# KiCad board cell-sim.kicad_pcb (continued)
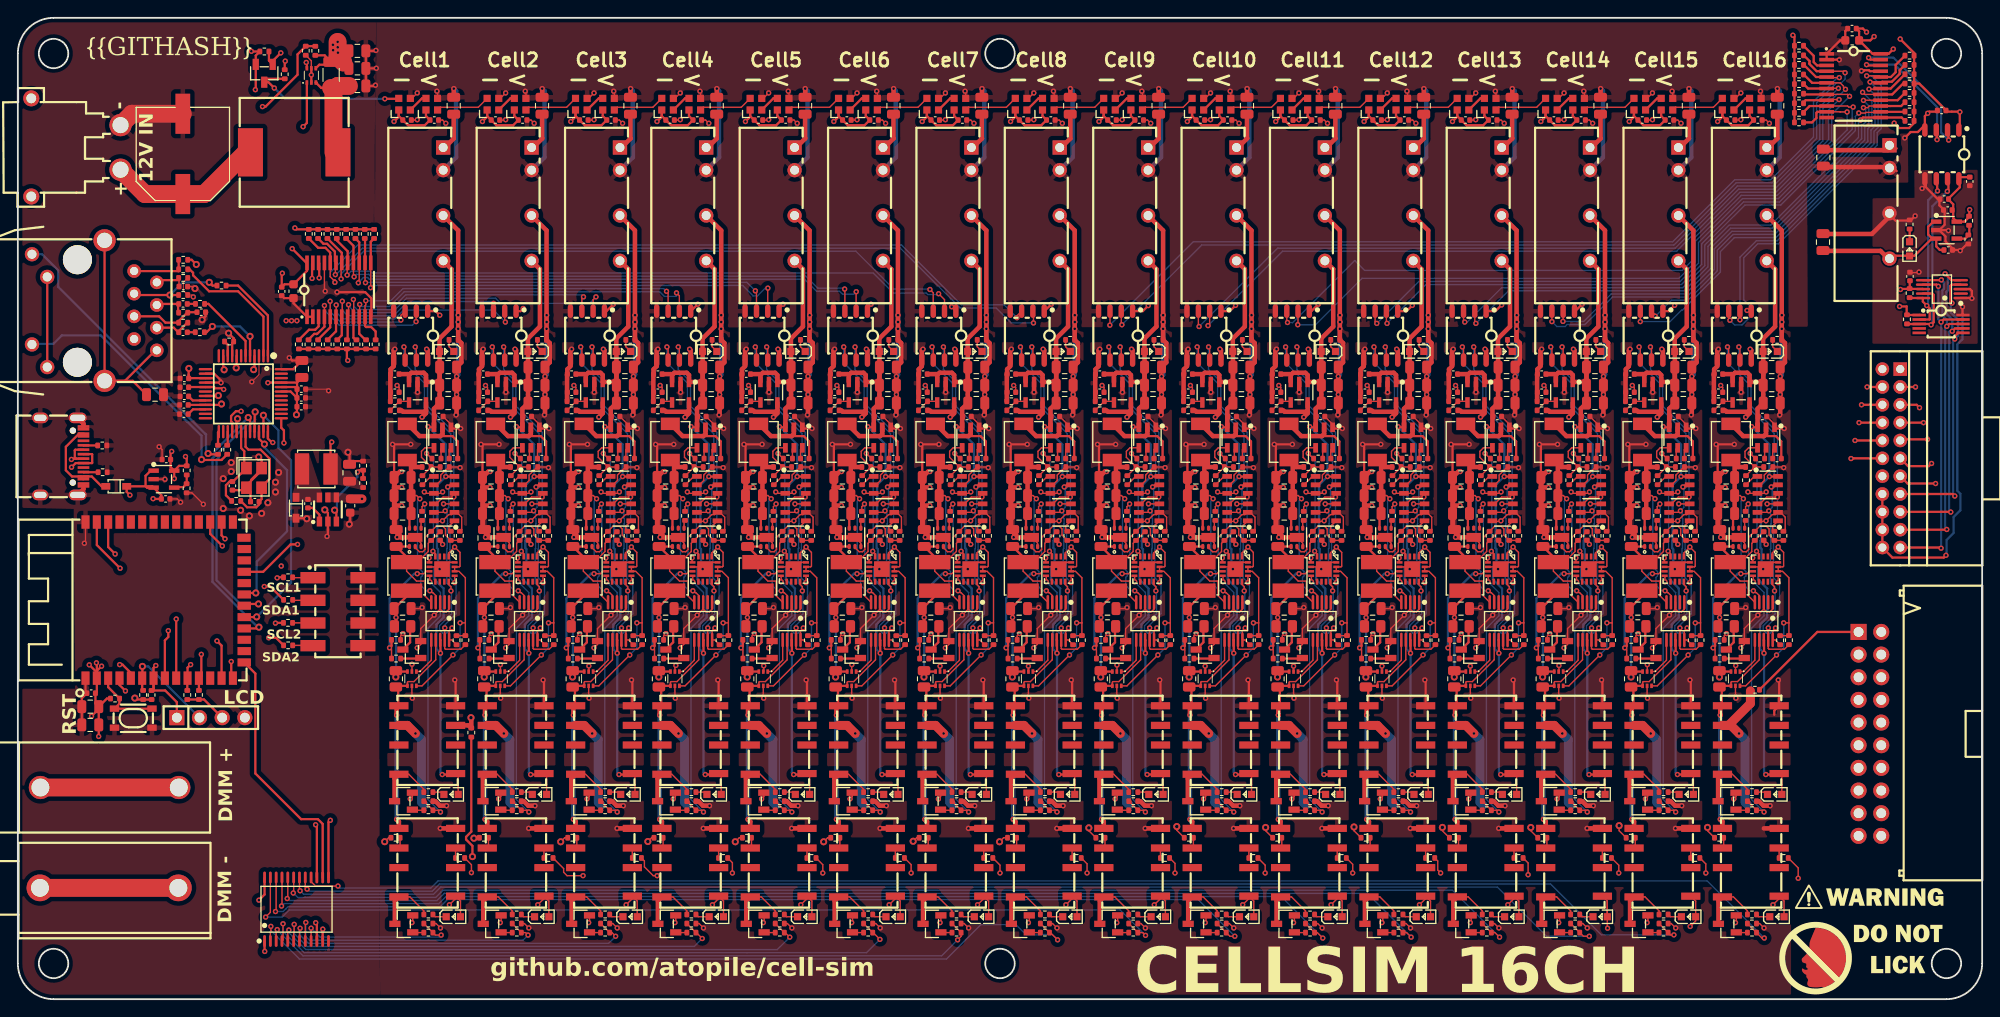
[diagram p0: board, top side]
## Placement (name value [footprint] x y rotation side) (continued)
R282  62.5mW Thick Film Resistors 50V ±100ppm/℃ ±1% 13kΩ 0402 Chip Resistor - Surface Mount ROHS  [R0402]  124.93 9.49 180 top
R283  62.5mW Thick Film Resistors 50V ±100ppm/℃ ±1% 10kΩ 0402 Chip Resistor - Surface Mount ROHS  [R0402]  124.93 7.46 180 top
R284  62.5mW Thick Film Resistors 50V ±100ppm/℃ ±1% 1kΩ 0402 Chip Resistor - Surface Mount ROHS  [R0402]  124.93 8.48 0 top
R285  62.5mW Thick Film Resistors 50V ±100ppm/℃ ±1% 1kΩ 0402 Chip Resistor - Surface Mount ROHS  [R0402]  121.31 38.18 0 top
R286  62.5mW Thick Film Resistors 50V ±100ppm/℃ ±1% 10kΩ 0402 Chip Resistor - Surface Mount ROHS  [R0402]  121.31 40.28 0 top
R287  125mW Thick Film Resistors 150V ±100ppm/℃ ±1% 226Ω 0805  Chip Resistor - Surface Mount ROHS  [R0805]  122.04 41.79 0 top
R288  62.5mW Thick Film Resistors 50V ±100ppm/℃ ±1% 10kΩ 0402 Chip Resistor - Surface Mount ROHS  [R0402]  129.07 40.25 90 top
R289  62.5mW Thick Film Resistors 50V ±100ppm/℃ ±1% 10kΩ 0402 Chip Resistor - Surface Mount ROHS  [R0402]  128.08 40.23 90 top
R290  62.5mW Thick Film Resistors 50V ±100ppm/℃ ±1% 11.5kΩ 0402 Chip Resistor - Surface Mount ROHS  [R0402]  121.17 66 180 top
R291  62.5mW Thick Film Resistors 50V ±100ppm/℃ ±1% 6.19kΩ 0402 Chip Resistor - Surface Mount ROHS  [R0402]  121.17 67.02 180 top
R292  62.5mW Thick Film Resistors 50V ±100ppm/℃ ±1% 10kΩ 0402 Chip Resistor - Surface Mount ROHS  [R0402]  121.25 18.09 180 top
R293  62.5mW Thick Film Resistors 50V ±100ppm/℃ ±1% 10kΩ 0402 Chip Resistor - Surface Mount ROHS  [R0402]  128.48 15.83 0 top
R294  62.5mW Thick Film Resistors 50V ±100ppm/℃ ±1% 14kΩ 0402 Chip Resistor - Surface Mount ROHS  [R0402]  137.65 73.9 0 top
R295  62.5mW Thick Film Resistors 50V ±100ppm/℃ ±1% 24kΩ 0402 Chip Resistor - Surface Mount ROHS  [R0402]  134.16 58.17 90 top
R296  62.5mW Thick Film Resistors 50V ±100ppm/℃ ±1% 37.4kΩ 0402 Chip Resistor - Surface Mount ROHS  [R0402]  134.63 59.65 0 top
R297  62.5mW Thick Film Resistors 50V ±100ppm/℃ ±1% 10kΩ 0402 Chip Resistor - Surface Mount ROHS  [R0402]  136.66 59.65 0 top
R298  62.5mW Thick Film Resistors 50V ±100ppm/℃ ±1% 10kΩ 0402 Chip Resistor - Surface Mount ROHS  [R0402]  135.74 60.6 0 top
R299  62.5mW Thick Film Resistors 50V ±100ppm/℃ ±1% 43kΩ 0402 Chip Resistor - Surface Mount ROHS  [R0402]  137.34 51.94 270 top
R300  62.5mW Thick Film Resistors 50V ±100ppm/℃ ±1% 60.4kΩ 0402 Chip Resistor - Surface Mount ROHS  [R0402]  135.14 51.93 90 top
R301  62.5mW Thick Film Resistors 50V ±100ppm/℃ ±1% 10kΩ 0402 Chip Resistor - Surface Mount ROHS  [R0402]  138.35 51.94 90 top
R302  62.5mW Thick Film Resistors 50V ±100ppm/℃ ±1% 10kΩ 0402 Chip Resistor - Surface Mount ROHS  [R0402]  134.11 54.17 270 top
R303  125mW Thick Film Resistors 150V ±1% 100mΩ 0805 Chip Resistor - Surface Mount ROHS  [R0805]  131.19 35.91 270 top
R304  62.5mW Thick Film Resistors 50V ±100ppm/℃ ±1% 13kΩ 0402 Chip Resistor - Surface Mount ROHS  [R0402]  134.83 23.21 180 top
R305  62.5mW Thick Film Resistors 50V ±100ppm/℃ ±1% 10kΩ 0402 Chip Resistor - Surface Mount ROHS  [R0402]  134.83 21.18 180 top
R306  62.5mW Thick Film Resistors 50V ±100ppm/℃ ±1% 1kΩ 0402 Chip Resistor - Surface Mount ROHS  [R0402]  134.83 22.19 0 top
R307  62.5mW Thick Film Resistors 50V ±100ppm/℃ ±1% 13kΩ 0402 Chip Resistor - Surface Mount ROHS  [R0402]  134.83 9.49 180 top
R308  62.5mW Thick Film Resistors 50V ±100ppm/℃ ±1% 10kΩ 0402 Chip Resistor - Surface Mount ROHS  [R0402]  134.83 7.46 180 top
R309  62.5mW Thick Film Resistors 50V ±100ppm/℃ ±1% 1kΩ 0402 Chip Resistor - Surface Mount ROHS  [R0402]  134.83 8.48 0 top
R310  62.5mW Thick Film Resistors 50V ±100ppm/℃ ±1% 1kΩ 0402 Chip Resistor - Surface Mount ROHS  [R0402]  131.21 38.18 0 top
R311  62.5mW Thick Film Resistors 50V ±100ppm/℃ ±1% 10kΩ 0402 Chip Resistor - Surface Mount ROHS  [R0402]  131.21 40.28 0 top
R312  125mW Thick Film Resistors 150V ±100ppm/℃ ±1% 226Ω 0805  Chip Resistor - Surface Mount ROHS  [R0805]  131.94 41.79 0 top
R313  62.5mW Thick Film Resistors 50V ±100ppm/℃ ±1% 10kΩ 0402 Chip Resistor - Surface Mount ROHS  [R0402]  138.97 40.25 90 top
R314  62.5mW Thick Film Resistors 50V ±100ppm/℃ ±1% 10kΩ 0402 Chip Resistor - Surface Mount ROHS  [R0402]  137.98 40.23 90 top
R315  62.5mW Thick Film Resistors 50V ±100ppm/℃ ±1% 11.5kΩ 0402 Chip Resistor - Surface Mount ROHS  [R0402]  131.07 66 180 top
R316  62.5mW Thick Film Resistors 50V ±100ppm/℃ ±1% 6.19kΩ 0402 Chip Resistor - Surface Mount ROHS  [R0402]  131.07 67.02 180 top
R317  62.5mW Thick Film Resistors 50V ±100ppm/℃ ±1% 10kΩ 0402 Chip Resistor - Surface Mount ROHS  [R0402]  131.15 18.09 180 top
R318  62.5mW Thick Film Resistors 50V ±100ppm/℃ ±1% 10kΩ 0402 Chip Resistor - Surface Mount ROHS  [R0402]  138.38 15.83 0 top
R319  62.5mW Thick Film Resistors 50V ±100ppm/℃ ±1% 14kΩ 0402 Chip Resistor - Surface Mount ROHS  [R0402]  147.55 73.9 0 top
R320  62.5mW Thick Film Resistors 50V ±100ppm/℃ ±1% 24kΩ 0402 Chip Resistor - Surface Mount ROHS  [R0402]  144.06 58.17 90 top
R321  62.5mW Thick Film Resistors 50V ±100ppm/℃ ±1% 37.4kΩ 0402 Chip Resistor - Surface Mount ROHS  [R0402]  144.53 59.65 0 top
R322  62.5mW Thick Film Resistors 50V ±100ppm/℃ ±1% 10kΩ 0402 Chip Resistor - Surface Mount ROHS  [R0402]  146.56 59.65 0 top
R323  62.5mW Thick Film Resistors 50V ±100ppm/℃ ±1% 10kΩ 0402 Chip Resistor - Surface Mount ROHS  [R0402]  145.64 60.6 0 top
R324  62.5mW Thick Film Resistors 50V ±100ppm/℃ ±1% 43kΩ 0402 Chip Resistor - Surface Mount ROHS  [R0402]  147.24 51.94 270 top
R325  62.5mW Thick Film Resistors 50V ±100ppm/℃ ±1% 60.4kΩ 0402 Chip Resistor - Surface Mount ROHS  [R0402]  145.03 51.93 90 top
R326  62.5mW Thick Film Resistors 50V ±100ppm/℃ ±1% 10kΩ 0402 Chip Resistor - Surface Mount ROHS  [R0402]  148.25 51.94 90 top
R327  62.5mW Thick Film Resistors 50V ±100ppm/℃ ±1% 10kΩ 0402 Chip Resistor - Surface Mount ROHS  [R0402]  144.01 54.17 270 top
R328  125mW Thick Film Resistors 150V ±1% 100mΩ 0805 Chip Resistor - Surface Mount ROHS  [R0805]  141.09 35.91 270 top
R329  62.5mW Thick Film Resistors 50V ±100ppm/℃ ±1% 13kΩ 0402 Chip Resistor - Surface Mount ROHS  [R0402]  144.73 23.21 180 top
R330  62.5mW Thick Film Resistors 50V ±100ppm/℃ ±1% 10kΩ 0402 Chip Resistor - Surface Mount ROHS  [R0402]  144.73 21.18 180 top
R331  62.5mW Thick Film Resistors 50V ±100ppm/℃ ±1% 1kΩ 0402 Chip Resistor - Surface Mount ROHS  [R0402]  144.73 22.19 0 top
R332  62.5mW Thick Film Resistors 50V ±100ppm/℃ ±1% 13kΩ 0402 Chip Resistor - Surface Mount ROHS  [R0402]  144.73 9.49 180 top
R333  62.5mW Thick Film Resistors 50V ±100ppm/℃ ±1% 10kΩ 0402 Chip Resistor - Surface Mount ROHS  [R0402]  144.73 7.46 180 top
R334  62.5mW Thick Film Resistors 50V ±100ppm/℃ ±1% 1kΩ 0402 Chip Resistor - Surface Mount ROHS  [R0402]  144.73 8.48 0 top
R335  62.5mW Thick Film Resistors 50V ±100ppm/℃ ±1% 1kΩ 0402 Chip Resistor - Surface Mount ROHS  [R0402]  141.11 38.18 0 top
R336  62.5mW Thick Film Resistors 50V ±100ppm/℃ ±1% 10kΩ 0402 Chip Resistor - Surface Mount ROHS  [R0402]  141.11 40.28 0 top
R337  125mW Thick Film Resistors 150V ±100ppm/℃ ±1% 226Ω 0805  Chip Resistor - Surface Mount ROHS  [R0805]  141.84 41.79 0 top
R338  62.5mW Thick Film Resistors 50V ±100ppm/℃ ±1% 10kΩ 0402 Chip Resistor - Surface Mount ROHS  [R0402]  148.87 40.25 90 top
R339  62.5mW Thick Film Resistors 50V ±100ppm/℃ ±1% 10kΩ 0402 Chip Resistor - Surface Mount ROHS  [R0402]  147.88 40.23 90 top
R340  62.5mW Thick Film Resistors 50V ±100ppm/℃ ±1% 11.5kΩ 0402 Chip Resistor - Surface Mount ROHS  [R0402]  140.97 66 180 top
R341  62.5mW Thick Film Resistors 50V ±100ppm/℃ ±1% 6.19kΩ 0402 Chip Resistor - Surface Mount ROHS  [R0402]  140.97 67.02 180 top
R342  62.5mW Thick Film Resistors 50V ±100ppm/℃ ±1% 10kΩ 0402 Chip Resistor - Surface Mount ROHS  [R0402]  141.05 18.09 180 top
R343  62.5mW Thick Film Resistors 50V ±100ppm/℃ ±1% 10kΩ 0402 Chip Resistor - Surface Mount ROHS  [R0402]  148.28 15.83 0 top
R344  62.5mW Thick Film Resistors 50V ±100ppm/℃ ±1% 14kΩ 0402 Chip Resistor - Surface Mount ROHS  [R0402]  157.45 73.9 0 top
R345  62.5mW Thick Film Resistors 50V ±100ppm/℃ ±1% 24kΩ 0402 Chip Resistor - Surface Mount ROHS  [R0402]  153.96 58.17 90 top
R346  62.5mW Thick Film Resistors 50V ±100ppm/℃ ±1% 37.4kΩ 0402 Chip Resistor - Surface Mount ROHS  [R0402]  154.42 59.65 0 top
R347  62.5mW Thick Film Resistors 50V ±100ppm/℃ ±1% 10kΩ 0402 Chip Resistor - Surface Mount ROHS  [R0402]  156.46 59.65 0 top
R348  62.5mW Thick Film Resistors 50V ±100ppm/℃ ±1% 10kΩ 0402 Chip Resistor - Surface Mount ROHS  [R0402]  155.53 60.6 0 top
R349  62.5mW Thick Film Resistors 50V ±100ppm/℃ ±1% 43kΩ 0402 Chip Resistor - Surface Mount ROHS  [R0402]  157.14 51.94 270 top
R350  62.5mW Thick Film Resistors 50V ±100ppm/℃ ±1% 60.4kΩ 0402 Chip Resistor - Surface Mount ROHS  [R0402]  154.93 51.93 90 top
R351  62.5mW Thick Film Resistors 50V ±100ppm/℃ ±1% 10kΩ 0402 Chip Resistor - Surface Mount ROHS  [R0402]  158.15 51.94 90 top
R352  62.5mW Thick Film Resistors 50V ±100ppm/℃ ±1% 10kΩ 0402 Chip Resistor - Surface Mount ROHS  [R0402]  153.91 54.17 270 top
R353  125mW Thick Film Resistors 150V ±1% 100mΩ 0805 Chip Resistor - Surface Mount ROHS  [R0805]  150.98 35.91 270 top
R354  62.5mW Thick Film Resistors 50V ±100ppm/℃ ±1% 13kΩ 0402 Chip Resistor - Surface Mount ROHS  [R0402]  154.62 23.21 180 top
R355  62.5mW Thick Film Resistors 50V ±100ppm/℃ ±1% 10kΩ 0402 Chip Resistor - Surface Mount ROHS  [R0402]  154.62 21.18 180 top
R356  62.5mW Thick Film Resistors 50V ±100ppm/℃ ±1% 1kΩ 0402 Chip Resistor - Surface Mount ROHS  [R0402]  154.62 22.19 0 top
R357  62.5mW Thick Film Resistors 50V ±100ppm/℃ ±1% 13kΩ 0402 Chip Resistor - Surface Mount ROHS  [R0402]  154.62 9.49 180 top
R358  62.5mW Thick Film Resistors 50V ±100ppm/℃ ±1% 10kΩ 0402 Chip Resistor - Surface Mount ROHS  [R0402]  154.62 7.46 180 top
R359  62.5mW Thick Film Resistors 50V ±100ppm/℃ ±1% 1kΩ 0402 Chip Resistor - Surface Mount ROHS  [R0402]  154.62 8.48 0 top
R360  62.5mW Thick Film Resistors 50V ±100ppm/℃ ±1% 1kΩ 0402 Chip Resistor - Surface Mount ROHS  [R0402]  151.01 38.18 0 top
R361  62.5mW Thick Film Resistors 50V ±100ppm/℃ ±1% 10kΩ 0402 Chip Resistor - Surface Mount ROHS  [R0402]  151 40.28 0 top
R362  125mW Thick Film Resistors 150V ±100ppm/℃ ±1% 226Ω 0805  Chip Resistor - Surface Mount ROHS  [R0805]  151.74 41.79 0 top
R363  62.5mW Thick Film Resistors 50V ±100ppm/℃ ±1% 10kΩ 0402 Chip Resistor - Surface Mount ROHS  [R0402]  158.77 40.25 90 top
R364  62.5mW Thick Film Resistors 50V ±100ppm/℃ ±1% 10kΩ 0402 Chip Resistor - Surface Mount ROHS  [R0402]  157.78 40.23 90 top
R365  62.5mW Thick Film Resistors 50V ±100ppm/℃ ±1% 11.5kΩ 0402 Chip Resistor - Surface Mount ROHS  [R0402]  150.87 66 180 top
R366  62.5mW Thick Film Resistors 50V ±100ppm/℃ ±1% 6.19kΩ 0402 Chip Resistor - Surface Mount ROHS  [R0402]  150.87 67.02 180 top
R367  62.5mW Thick Film Resistors 50V ±100ppm/℃ ±1% 10kΩ 0402 Chip Resistor - Surface Mount ROHS  [R0402]  150.94 18.09 180 top
R368  62.5mW Thick Film Resistors 50V ±100ppm/℃ ±1% 10kΩ 0402 Chip Resistor - Surface Mount ROHS  [R0402]  158.18 15.83 0 top
R369  62.5mW Thick Film Resistors 50V ±100ppm/℃ ±1% 14kΩ 0402 Chip Resistor - Surface Mount ROHS  [R0402]  167.35 73.9 0 top
R370  62.5mW Thick Film Resistors 50V ±100ppm/℃ ±1% 24kΩ 0402 Chip Resistor - Surface Mount ROHS  [R0402]  163.86 58.17 90 top
R371  62.5mW Thick Film Resistors 50V ±100ppm/℃ ±1% 37.4kΩ 0402 Chip Resistor - Surface Mount ROHS  [R0402]  164.32 59.65 0 top
R372  62.5mW Thick Film Resistors 50V ±100ppm/℃ ±1% 10kΩ 0402 Chip Resistor - Surface Mount ROHS  [R0402]  166.36 59.65 0 top
R373  62.5mW Thick Film Resistors 50V ±100ppm/℃ ±1% 10kΩ 0402 Chip Resistor - Surface Mount ROHS  [R0402]  165.43 60.6 0 top
R374  62.5mW Thick Film Resistors 50V ±100ppm/℃ ±1% 43kΩ 0402 Chip Resistor - Surface Mount ROHS  [R0402]  167.03 51.94 270 top
R375  62.5mW Thick Film Resistors 50V ±100ppm/℃ ±1% 60.4kΩ 0402 Chip Resistor - Surface Mount ROHS  [R0402]  164.83 51.93 90 top
R376  62.5mW Thick Film Resistors 50V ±100ppm/℃ ±1% 10kΩ 0402 Chip Resistor - Surface Mount ROHS  [R0402]  168.05 51.94 90 top
R377  62.5mW Thick Film Resistors 50V ±100ppm/℃ ±1% 10kΩ 0402 Chip Resistor - Surface Mount ROHS  [R0402]  163.81 54.17 270 top
R378  125mW Thick Film Resistors 150V ±1% 100mΩ 0805 Chip Resistor - Surface Mount ROHS  [R0805]  160.88 35.91 270 top
R379  62.5mW Thick Film Resistors 50V ±100ppm/℃ ±1% 13kΩ 0402 Chip Resistor - Surface Mount ROHS  [R0402]  164.52 23.21 180 top
R380  62.5mW Thick Film Resistors 50V ±100ppm/℃ ±1% 10kΩ 0402 Chip Resistor - Surface Mount ROHS  [R0402]  164.52 21.18 180 top
R381  62.5mW Thick Film Resistors 50V ±100ppm/℃ ±1% 1kΩ 0402 Chip Resistor - Surface Mount ROHS  [R0402]  164.52 22.19 0 top
R382  62.5mW Thick Film Resistors 50V ±100ppm/℃ ±1% 13kΩ 0402 Chip Resistor - Surface Mount ROHS  [R0402]  164.52 9.49 180 top
R383  62.5mW Thick Film Resistors 50V ±100ppm/℃ ±1% 10kΩ 0402 Chip Resistor - Surface Mount ROHS  [R0402]  164.52 7.46 180 top
R384  62.5mW Thick Film Resistors 50V ±100ppm/℃ ±1% 1kΩ 0402 Chip Resistor - Surface Mount ROHS  [R0402]  164.52 8.48 0 top
R385  62.5mW Thick Film Resistors 50V ±100ppm/℃ ±1% 1kΩ 0402 Chip Resistor - Surface Mount ROHS  [R0402]  160.9 38.18 0 top
R386  62.5mW Thick Film Resistors 50V ±100ppm/℃ ±1% 10kΩ 0402 Chip Resistor - Surface Mount ROHS  [R0402]  160.9 40.28 0 top
R387  125mW Thick Film Resistors 150V ±100ppm/℃ ±1% 226Ω 0805  Chip Resistor - Surface Mount ROHS  [R0805]  161.63 41.79 0 top
R388  62.5mW Thick Film Resistors 50V ±100ppm/℃ ±1% 10kΩ 0402 Chip Resistor - Surface Mount ROHS  [R0402]  168.66 40.25 90 top
R389  62.5mW Thick Film Resistors 50V ±100ppm/℃ ±1% 10kΩ 0402 Chip Resistor - Surface Mount ROHS  [R0402]  167.68 40.23 90 top
R390  62.5mW Thick Film Resistors 50V ±100ppm/℃ ±1% 11.5kΩ 0402 Chip Resistor - Surface Mount ROHS  [R0402]  160.77 66 180 top
R391  62.5mW Thick Film Resistors 50V ±100ppm/℃ ±1% 6.19kΩ 0402 Chip Resistor - Surface Mount ROHS  [R0402]  160.77 67.02 180 top
R392  62.5mW Thick Film Resistors 50V ±100ppm/℃ ±1% 10kΩ 0402 Chip Resistor - Surface Mount ROHS  [R0402]  160.84 18.09 180 top
R393  62.5mW Thick Film Resistors 50V ±100ppm/℃ ±1% 10kΩ 0402 Chip Resistor - Surface Mount ROHS  [R0402]  168.08 15.83 0 top
R394  62.5mW Thick Film Resistors 50V ±100ppm/℃ ±1% 14kΩ 0402 Chip Resistor - Surface Mount ROHS  [R0402]  177.25 73.9 0 top
R395  62.5mW Thick Film Resistors 50V ±100ppm/℃ ±1% 24kΩ 0402 Chip Resistor - Surface Mount ROHS  [R0402]  173.76 58.17 90 top
R396  62.5mW Thick Film Resistors 50V ±100ppm/℃ ±1% 37.4kΩ 0402 Chip Resistor - Surface Mount ROHS  [R0402]  174.22 59.65 0 top
R397  62.5mW Thick Film Resistors 50V ±100ppm/℃ ±1% 10kΩ 0402 Chip Resistor - Surface Mount ROHS  [R0402]  176.25 59.65 0 top
R398  62.5mW Thick Film Resistors 50V ±100ppm/℃ ±1% 10kΩ 0402 Chip Resistor - Surface Mount ROHS  [R0402]  175.33 60.6 0 top
R399  62.5mW Thick Film Resistors 50V ±100ppm/℃ ±1% 43kΩ 0402 Chip Resistor - Surface Mount ROHS  [R0402]  176.93 51.94 270 top
R400  62.5mW Thick Film Resistors 50V ±100ppm/℃ ±1% 60.4kΩ 0402 Chip Resistor - Surface Mount ROHS  [R0402]  174.73 51.93 90 top
R401  62.5mW Thick Film Resistors 50V ±100ppm/℃ ±1% 10kΩ 0402 Chip Resistor - Surface Mount ROHS  [R0402]  177.94 51.94 90 top
R402  62.5mW Thick Film Resistors 50V ±100ppm/℃ ±1% 10kΩ 0402 Chip Resistor - Surface Mount ROHS  [R0402]  173.71 54.17 270 top
R403  125mW Thick Film Resistors 150V ±1% 100mΩ 0805 Chip Resistor - Surface Mount ROHS  [R0805]  170.78 35.91 270 top
R404  62.5mW Thick Film Resistors 50V ±100ppm/℃ ±1% 13kΩ 0402 Chip Resistor - Surface Mount ROHS  [R0402]  174.42 23.21 180 top
R405  62.5mW Thick Film Resistors 50V ±100ppm/℃ ±1% 10kΩ 0402 Chip Resistor - Surface Mount ROHS  [R0402]  174.42 21.18 180 top
R406  62.5mW Thick Film Resistors 50V ±100ppm/℃ ±1% 1kΩ 0402 Chip Resistor - Surface Mount ROHS  [R0402]  174.42 22.19 0 top
R407  62.5mW Thick Film Resistors 50V ±100ppm/℃ ±1% 13kΩ 0402 Chip Resistor - Surface Mount ROHS  [R0402]  174.42 9.49 180 top
R408  62.5mW Thick Film Resistors 50V ±100ppm/℃ ±1% 10kΩ 0402 Chip Resistor - Surface Mount ROHS  [R0402]  174.42 7.46 180 top
R409  62.5mW Thick Film Resistors 50V ±100ppm/℃ ±1% 1kΩ 0402 Chip Resistor - Surface Mount ROHS  [R0402]  174.42 8.48 0 top
R410  62.5mW Thick Film Resistors 50V ±100ppm/℃ ±1% 1kΩ 0402 Chip Resistor - Surface Mount ROHS  [R0402]  170.8 38.18 0 top
R411  62.5mW Thick Film Resistors 50V ±100ppm/℃ ±1% 10kΩ 0402 Chip Resistor - Surface Mount ROHS  [R0402]  170.8 40.28 0 top
R412  125mW Thick Film Resistors 150V ±100ppm/℃ ±1% 226Ω 0805  Chip Resistor - Surface Mount ROHS  [R0805]  171.53 41.79 0 top
R413  62.5mW Thick Film Resistors 50V ±100ppm/℃ ±1% 10kΩ 0402 Chip Resistor - Surface Mount ROHS  [R0402]  178.56 40.25 90 top
R414  62.5mW Thick Film Resistors 50V ±100ppm/℃ ±1% 10kΩ 0402 Chip Resistor - Surface Mount ROHS  [R0402]  177.58 40.23 90 top
R415  62.5mW Thick Film Resistors 50V ±100ppm/℃ ±1% 11.5kΩ 0402 Chip Resistor - Surface Mount ROHS  [R0402]  170.67 66 180 top
R416  62.5mW Thick Film Resistors 50V ±100ppm/℃ ±1% 6.19kΩ 0402 Chip Resistor - Surface Mount ROHS  [R0402]  170.67 67.02 180 top
R417  62.5mW Thick Film Resistors 50V ±100ppm/℃ ±1% 10kΩ 0402 Chip Resistor - Surface Mount ROHS  [R0402]  170.74 18.09 180 top
R418  62.5mW Thick Film Resistors 50V ±100ppm/℃ ±1% 10kΩ 0402 Chip Resistor - Surface Mount ROHS  [R0402]  177.98 15.83 0 top
R419  62.5mW Thick Film Resistors 50V ±100ppm/℃ ±1% 14kΩ 0402 Chip Resistor - Surface Mount ROHS  [R0402]  187.15 73.9 0 top
R420  62.5mW Thick Film Resistors 50V ±100ppm/℃ ±1% 24kΩ 0402 Chip Resistor - Surface Mount ROHS  [R0402]  183.65 58.17 90 top
R421  62.5mW Thick Film Resistors 50V ±100ppm/℃ ±1% 37.4kΩ 0402 Chip Resistor - Surface Mount ROHS  [R0402]  184.12 59.65 0 top
R422  62.5mW Thick Film Resistors 50V ±100ppm/℃ ±1% 10kΩ 0402 Chip Resistor - Surface Mount ROHS  [R0402]  186.15 59.65 0 top
R423  62.5mW Thick Film Resistors 50V ±100ppm/℃ ±1% 10kΩ 0402 Chip Resistor - Surface Mount ROHS  [R0402]  185.23 60.6 0 top
R424  62.5mW Thick Film Resistors 50V ±100ppm/℃ ±1% 43kΩ 0402 Chip Resistor - Surface Mount ROHS  [R0402]  186.83 51.94 270 top
R425  62.5mW Thick Film Resistors 50V ±100ppm/℃ ±1% 60.4kΩ 0402 Chip Resistor - Surface Mount ROHS  [R0402]  184.63 51.93 90 top
R426  62.5mW Thick Film Resistors 50V ±100ppm/℃ ±1% 10kΩ 0402 Chip Resistor - Surface Mount ROHS  [R0402]  187.84 51.94 90 top
R427  62.5mW Thick Film Resistors 50V ±100ppm/℃ ±1% 10kΩ 0402 Chip Resistor - Surface Mount ROHS  [R0402]  183.61 54.17 270 top
R428  125mW Thick Film Resistors 150V ±1% 100mΩ 0805 Chip Resistor - Surface Mount ROHS  [R0805]  180.68 35.91 270 top
R429  62.5mW Thick Film Resistors 50V ±100ppm/℃ ±1% 13kΩ 0402 Chip Resistor - Surface Mount ROHS  [R0402]  184.32 23.21 180 top
R430  62.5mW Thick Film Resistors 50V ±100ppm/℃ ±1% 10kΩ 0402 Chip Resistor - Surface Mount ROHS  [R0402]  184.32 21.18 180 top
R431  62.5mW Thick Film Resistors 50V ±100ppm/℃ ±1% 1kΩ 0402 Chip Resistor - Surface Mount ROHS  [R0402]  184.32 22.19 0 top
R432  62.5mW Thick Film Resistors 50V ±100ppm/℃ ±1% 13kΩ 0402 Chip Resistor - Surface Mount ROHS  [R0402]  184.32 9.49 180 top
R433  62.5mW Thick Film Resistors 50V ±100ppm/℃ ±1% 10kΩ 0402 Chip Resistor - Surface Mount ROHS  [R0402]  184.32 7.46 180 top
R434  62.5mW Thick Film Resistors 50V ±100ppm/℃ ±1% 1kΩ 0402 Chip Resistor - Surface Mount ROHS  [R0402]  184.32 8.48 0 top
R435  62.5mW Thick Film Resistors 50V ±100ppm/℃ ±1% 1kΩ 0402 Chip Resistor - Surface Mount ROHS  [R0402]  180.7 38.18 0 top
R436  62.5mW Thick Film Resistors 50V ±100ppm/℃ ±1% 10kΩ 0402 Chip Resistor - Surface Mount ROHS  [R0402]  180.7 40.28 0 top
R437  125mW Thick Film Resistors 150V ±100ppm/℃ ±1% 226Ω 0805  Chip Resistor - Surface Mount ROHS  [R0805]  181.43 41.79 0 top
R438  62.5mW Thick Film Resistors 50V ±100ppm/℃ ±1% 10kΩ 0402 Chip Resistor - Surface Mount ROHS  [R0402]  188.46 40.25 90 top
R439  62.5mW Thick Film Resistors 50V ±100ppm/℃ ±1% 10kΩ 0402 Chip Resistor - Surface Mount ROHS  [R0402]  187.47 40.23 90 top
R440  62.5mW Thick Film Resistors 50V ±100ppm/℃ ±1% 11.5kΩ 0402 Chip Resistor - Surface Mount ROHS  [R0402]  180.56 66 180 top
R441  62.5mW Thick Film Resistors 50V ±100ppm/℃ ±1% 6.19kΩ 0402 Chip Resistor - Surface Mount ROHS  [R0402]  180.56 67.02 180 top
R442  62.5mW Thick Film Resistors 50V ±100ppm/℃ ±1% 10kΩ 0402 Chip Resistor - Surface Mount ROHS  [R0402]  180.64 18.09 180 top
R443  62.5mW Thick Film Resistors 50V ±100ppm/℃ ±1% 10kΩ 0402 Chip Resistor - Surface Mount ROHS  [R0402]  187.87 15.83 0 top
R444  62.5mW Thick Film Resistors 50V ±100ppm/℃ ±1% 14kΩ 0402 Chip Resistor - Surface Mount ROHS  [R0402]  197.05 73.9 0 top
R445  62.5mW Thick Film Resistors 50V ±100ppm/℃ ±1% 24kΩ 0402 Chip Resistor - Surface Mount ROHS  [R0402]  193.55 58.17 90 top
R446  62.5mW Thick Film Resistors 50V ±100ppm/℃ ±1% 37.4kΩ 0402 Chip Resistor - Surface Mount ROHS  [R0402]  194.02 59.65 0 top
R447  62.5mW Thick Film Resistors 50V ±100ppm/℃ ±1% 10kΩ 0402 Chip Resistor - Surface Mount ROHS  [R0402]  196.05 59.65 0 top
R448  62.5mW Thick Film Resistors 50V ±100ppm/℃ ±1% 10kΩ 0402 Chip Resistor - Surface Mount ROHS  [R0402]  195.13 60.6 0 top
R449  62.5mW Thick Film Resistors 50V ±100ppm/℃ ±1% 43kΩ 0402 Chip Resistor - Surface Mount ROHS  [R0402]  196.73 51.94 270 top
R450  62.5mW Thick Film Resistors 50V ±100ppm/℃ ±1% 60.4kΩ 0402 Chip Resistor - Surface Mount ROHS  [R0402]  194.53 51.93 90 top
R451  62.5mW Thick Film Resistors 50V ±100ppm/℃ ±1% 10kΩ 0402 Chip Resistor - Surface Mount ROHS  [R0402]  197.74 51.94 90 top
R452  62.5mW Thick Film Resistors 50V ±100ppm/℃ ±1% 10kΩ 0402 Chip Resistor - Surface Mount ROHS  [R0402]  193.5 54.17 270 top
R453  125mW Thick Film Resistors 150V ±1% 100mΩ 0805 Chip Resistor - Surface Mount ROHS  [R0805]  190.58 35.91 270 top
R454  62.5mW Thick Film Resistors 50V ±100ppm/℃ ±1% 13kΩ 0402 Chip Resistor - Surface Mount ROHS  [R0402]  194.22 23.21 180 top
R455  62.5mW Thick Film Resistors 50V ±100ppm/℃ ±1% 10kΩ 0402 Chip Resistor - Surface Mount ROHS  [R0402]  194.22 21.18 180 top
R456  62.5mW Thick Film Resistors 50V ±100ppm/℃ ±1% 1kΩ 0402 Chip Resistor - Surface Mount ROHS  [R0402]  194.22 22.19 0 top
R457  62.5mW Thick Film Resistors 50V ±100ppm/℃ ±1% 13kΩ 0402 Chip Resistor - Surface Mount ROHS  [R0402]  194.22 9.49 180 top
R458  62.5mW Thick Film Resistors 50V ±100ppm/℃ ±1% 10kΩ 0402 Chip Resistor - Surface Mount ROHS  [R0402]  194.22 7.46 180 top
R459  62.5mW Thick Film Resistors 50V ±100ppm/℃ ±1% 1kΩ 0402 Chip Resistor - Surface Mount ROHS  [R0402]  194.22 8.48 0 top
R460  62.5mW Thick Film Resistors 50V ±100ppm/℃ ±1% 1kΩ 0402 Chip Resistor - Surface Mount ROHS  [R0402]  190.6 38.18 0 top
R461  62.5mW Thick Film Resistors 50V ±100ppm/℃ ±1% 10kΩ 0402 Chip Resistor - Surface Mount ROHS  [R0402]  190.6 40.28 0 top
R462  125mW Thick Film Resistors 150V ±100ppm/℃ ±1% 226Ω 0805  Chip Resistor - Surface Mount ROHS  [R0805]  191.33 41.79 0 top
R463  62.5mW Thick Film Resistors 50V ±100ppm/℃ ±1% 10kΩ 0402 Chip Resistor - Surface Mount ROHS  [R0402]  198.36 40.25 90 top
R464  62.5mW Thick Film Resistors 50V ±100ppm/℃ ±1% 10kΩ 0402 Chip Resistor - Surface Mount ROHS  [R0402]  197.37 40.23 90 top
R465  62.5mW Thick Film Resistors 50V ±100ppm/℃ ±1% 11.5kΩ 0402 Chip Resistor - Surface Mount ROHS  [R0402]  190.46 66 180 top
R466  62.5mW Thick Film Resistors 50V ±100ppm/℃ ±1% 6.19kΩ 0402 Chip Resistor - Surface Mount ROHS  [R0402]  190.46 67.02 180 top
R467  62.5mW Thick Film Resistors 50V ±100ppm/℃ ±1% 10kΩ 0402 Chip Resistor - Surface Mount ROHS  [R0402]  190.54 18.09 180 top
R468  62.5mW Thick Film Resistors 50V ±100ppm/℃ ±1% 10kΩ 0402 Chip Resistor - Surface Mount ROHS  [R0402]  197.77 15.83 0 top
R469  62.5mW Thick Film Resistors 50V ±800ppm/℃ ±1% 0Ω 0402 Chip Resistor - Surface Mount ROHS  [R0402]  194.56 34.68 0 top
R470  62.5mW Thick Film Resistors 50V ±800ppm/℃ ±1% 0Ω 0402 Chip Resistor - Surface Mount ROHS  [R0402]  50.78 29.88 270 top
R471  62.5mW Thick Film Resistors 50V ±100ppm/℃ ±1% 1kΩ 0402 Chip Resistor - Surface Mount ROHS  [R0402]  30.26 47.29 0 top
R472  62.5mW Thick Film Resistors 50V ±100ppm/℃ ±1% 1kΩ 0402 Chip Resistor - Surface Mount ROHS  [R0402]  30.27 44.76 0 top
R473  62.5mW Thick Film Resistors 50V ±100ppm/℃ ±1% 1kΩ 0402 Chip Resistor - Surface Mount ROHS  [R0402]  30.26 42.18 0 top
R474  62.5mW Thick Film Resistors 50V ±100ppm/℃ ±1% 1kΩ 0402 Chip Resistor - Surface Mount ROHS  [R0402]  30.27 39.66 0 top
U1  ?  [WIRELM-SMD_ESP32-S3-WROOM-1]  16.47 44.73 90 top
U2  ?  [KEY-SMD_4P-L4.2-W3.2-P2.20-LS4.6]  12.92 31.5 0 top
U3  ?  [USB-C-SMD_KH-TYPE-C-16P]  4.93 60.84 270 top
U4  ?  [LQFP-48_L7.0-W7.0-P0.50-LS9.0-BL]  25.26 67.86 180 top
U5  ?  [RJ45-TH_J1B1211CCD]  8.57 77.18 270 top
U6  ?  [CRYSTAL-SMD_4P-L3.2-W2.5-BL]  26.45 58.43 270 top
U7  ?  [SOT-563_L1.6-W1.2-P0.50-LS1.6-TL]  32.87 103.55 90 top
U8  ?  [AUDIO-TH_24.243.1]  10.28 23.72 180 top
U9  ?  [CONN-TH_24.243.2]  10.23 12.47 180 top
U10  ?  [HDR-TH_4P-P2.54-V-F]  21.62 31.55 0 top
